# Allegro board board_orcad.brd (continued)
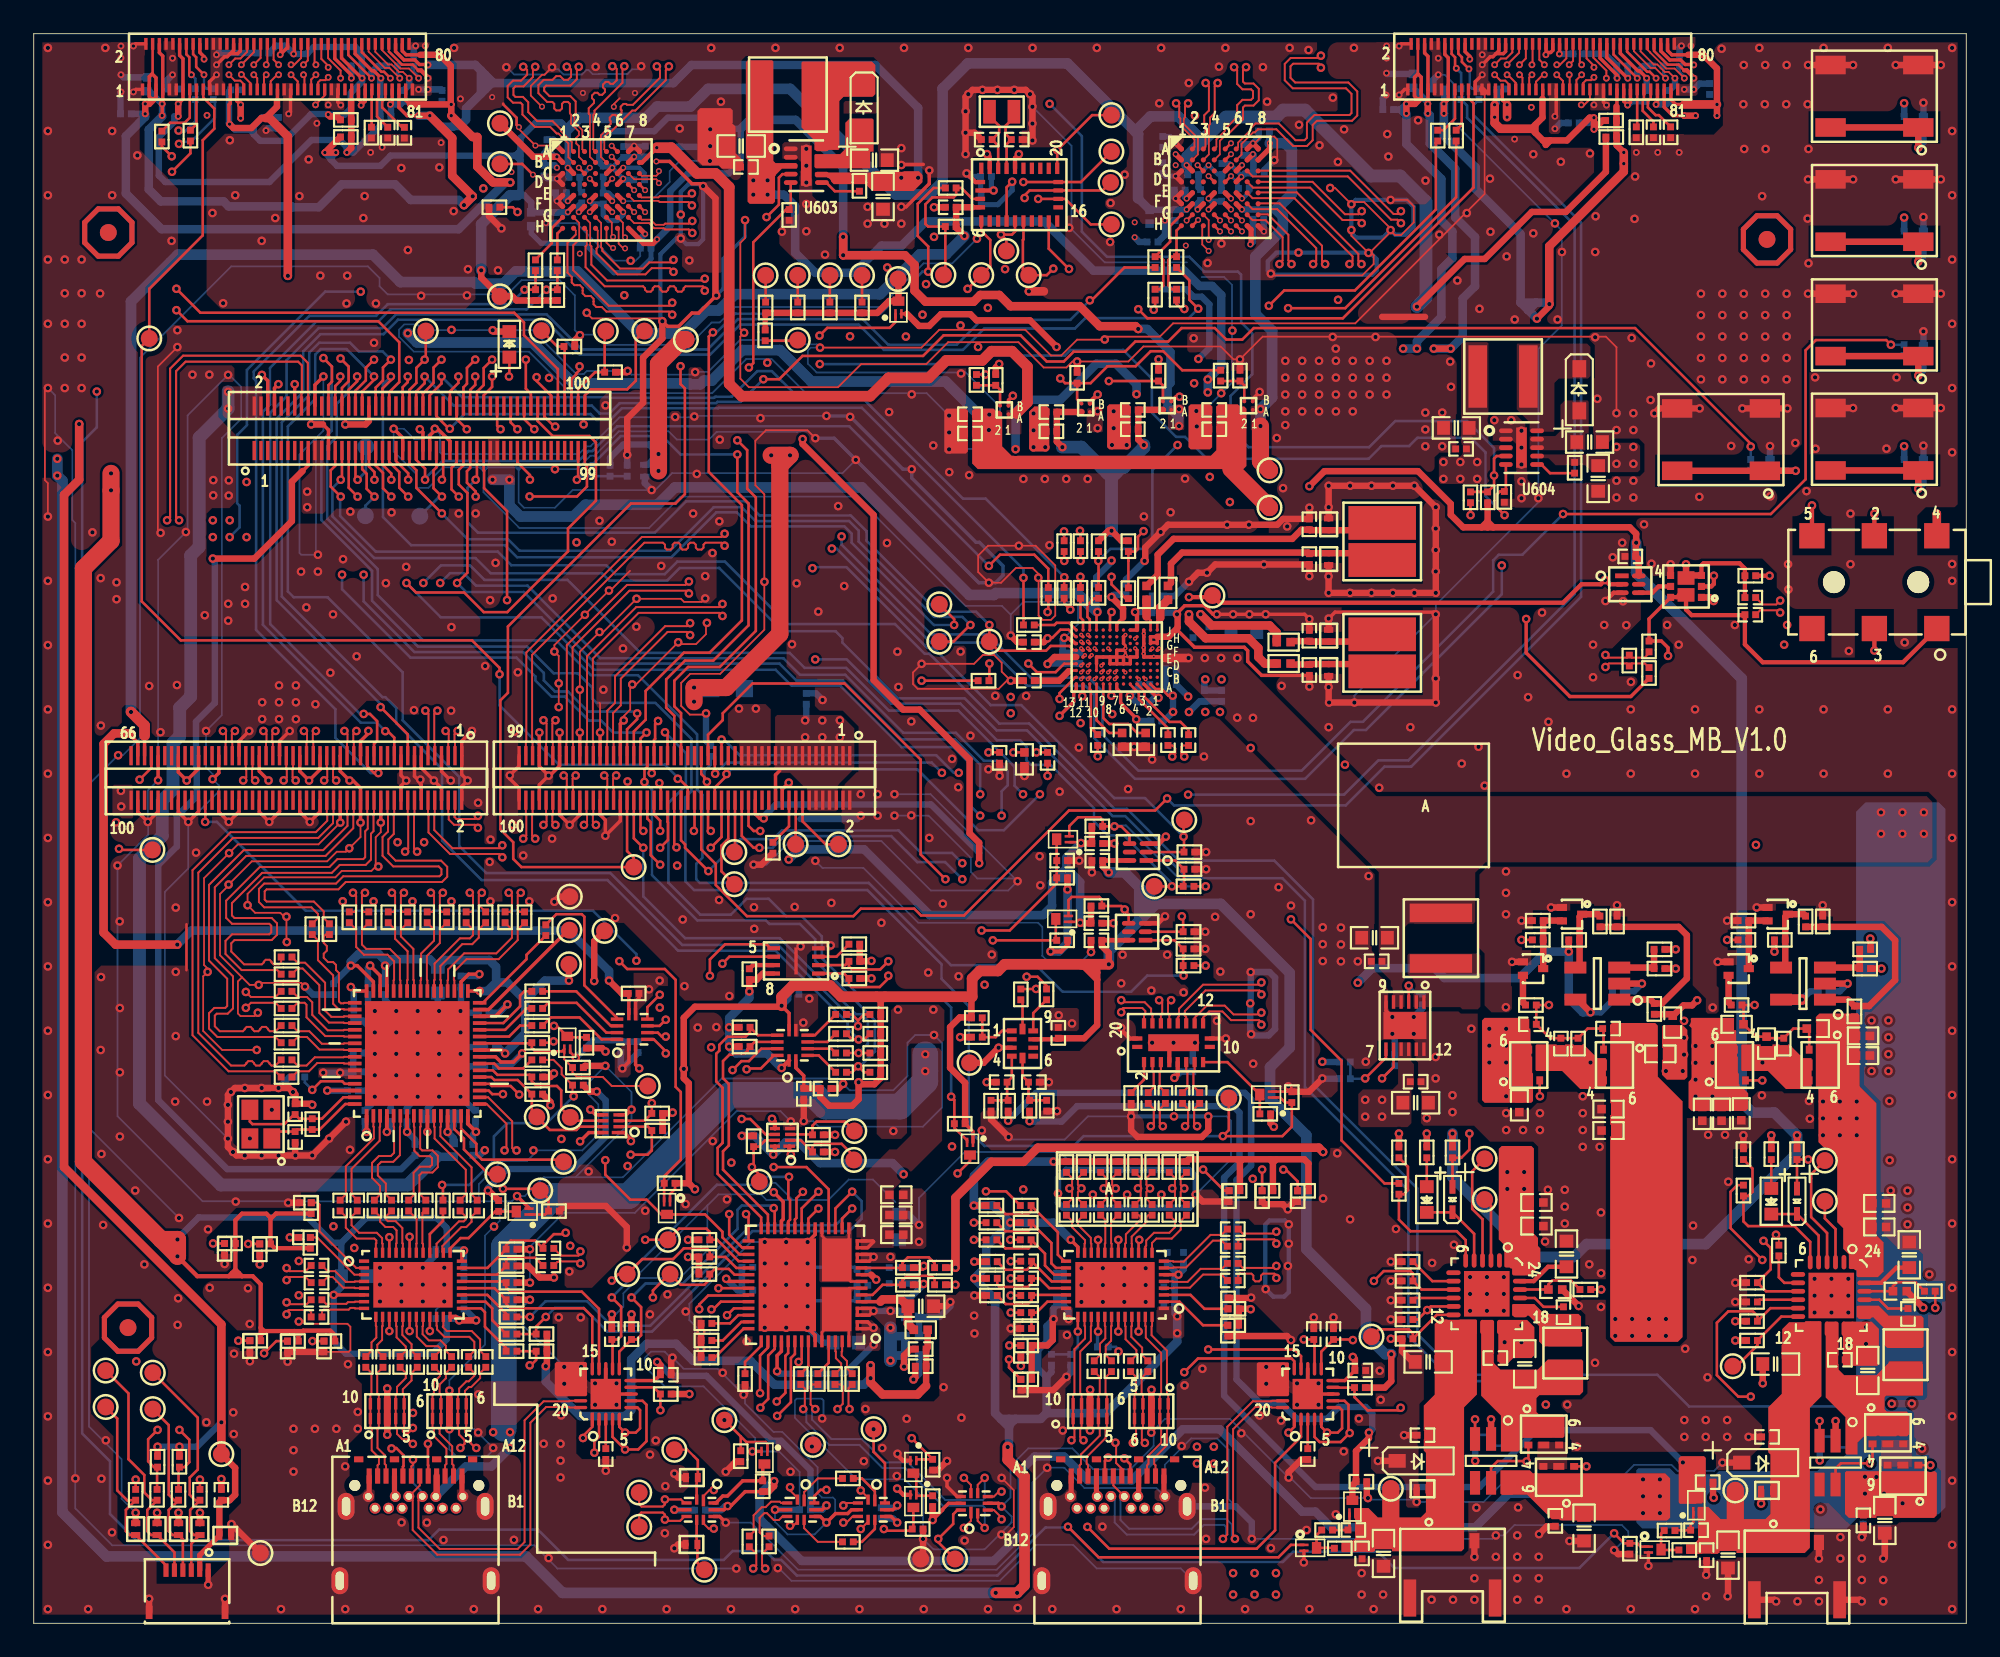
[diagram p0: board, top side]
## Routing (per net, layer and track width the routed paths; a pad name or vN(x,y) marks a point on that pad's centre or on a via; arc(x,y) is an arc through that point) (continued)
  BOTTOM w0.152: R713.2 16.07,32.06 v1(16.51,31.62)
RLV1A: length 35.3
  TOP w0.114: v5(86.6,91.8) 86.94,91.46 87.22,91.46 87.45,91.23 J602.31 ; U601.F7 72.25,83.83 73.71,83.83 76.02,81.52 76.02,80.76 v1(75.84,80.58)
  ART03 w0.102: v5(86.6,91.8) 86.43,91.64 86.43,91.36 86.21,91.14 83.86,91.14 83.79,91.07 83.77,91.07
  ART03 w0.114: 83.77,91.07 79.21,91.07 78.96,90.81 78.96,89.42 79.14,89.23 80.63,89.23 82.12,87.74 82.12,85.99 81.62,85.48 78.65,85.48 77.46,84.29 77.46,79.73 77.14,79.41 76.52,79.41 76.02,79.91 76.02,80.39 v1(75.84,80.58)
RLV1B: length 35.3
  TOP w0.114: J602.32 87.65,93.13 87.28,92.77 86.97,92.77 v5(86.6,92.4) ; v1(76.55,80.58) 76.37,80.76 76.37,81.67 73.85,84.18 72.6,84.18 U601.F8
  ART03 w0.102: v5(86.6,92.4) 86.23,92.03 86.23,91.44 86.13,91.34 83.86,91.34 83.79,91.41 83.77,91.41
  ART03 w0.114: v1(76.55,80.58) 76.37,80.39 76.37,80.05 76.66,79.75 77,79.75 77.11,79.87 77.11,84.43 78.51,85.83 81.47,85.83 81.78,86.13 81.78,87.6 80.48,88.89 79,88.89 78.61,89.27 78.61,90.95 79.07,91.41 83.77,91.41
RLV2A: length 35.2
  TOP w0.114: v1(81.04,83) 80.84,83.21 80.46,83.21 77.89,85.77 72.26,85.77 U601.C7 ; J602.33 87.85,91.32 87.37,91.8 v5(87.34,91.8)
  ART03 w0.102: v5(87.34,91.8) 87.17,91.64 87.17,91.28 86.51,90.63 85.63,90.63 85.53,90.53 85.53,90.21 85.59,90.14 85.59,90.11
  ART03 w0.114: v1(81.04,83) 81.23,83.19 83.07,83.19 83.38,83.5 83.38,84.94 83.5,85.05 83.89,85.05 84,84.94 84,83.1 84.39,82.72 85.36,82.72 85.79,83.14 85.79,86.15 85.4,86.53 83.4,86.53 83.29,86.65 83.29,87.04 83.4,87.15 85.2,87.15 85.52,87.47 85.52,88.24 85.2,88.55 84.94,88.55 84.82,88.67 84.82,89.06 84.94,89.18 85.2,89.18 85.59,89.57 85.59,90.11
RLV2B: length 35.1
  TOP w0.114: U601.C8 72.59,86.12 78.04,86.12 80.6,83.55 80.88,83.55 v1(81.04,83.72) ; v5(87.34,92.4) 88.05,93.11 J602.34
  ART03 w0.102: 85.25,90.11 85.25,90.14 85.32,90.21 85.32,90.67 85.48,90.83 86.43,90.83 86.97,91.37 86.97,92.03 87.04,92.1 v5(87.34,92.4)
  ART03 w0.114: v1(81.04,83.72) 81.23,83.53 81.54,83.53 81.73,83.72 82.16,83.72 82.35,83.53 82.92,83.53 83.04,83.65 83.04,85.08 83.35,85.39 84.03,85.39 84.35,85.08 84.35,83.24 84.53,83.06 85.22,83.06 85.45,83.29 85.45,86 85.26,86.19 83.26,86.19 82.94,86.5 82.94,87.18 83.26,87.5 85.06,87.5 85.17,87.61 85.17,88.1 85.06,88.21 84.8,88.21 84.48,88.53 84.48,89.2 84.8,89.52 85.06,89.52 85.25,89.71 85.25,90.11
RLV3A: length 36.3
  TOP w0.114: J602.35 88.25,91.63 v5(88.07,91.8) ; U601.D7 72.27,85.11 75.66,85.11 77.58,83.19 78.53,83.19 v1(78.72,83.01)
  ART03 w0.102: v5(88.07,91.8) 87.91,91.64 87.91,88.93 87.3,88.32 87.3,87.88 87.37,87.81 87.37,87.78
  ART03 w0.114: 87.37,87.78 87.37,87.15 87.05,86.83 86.87,86.83 86.75,86.72 86.75,86.36 86.91,86.21 87.05,86.21 87.37,85.89 87.37,85.21 87.05,84.9 86.87,84.9 86.75,84.79 86.75,84.39 86.87,84.28 87.05,84.28 87.37,83.96 87.37,81.96 86.95,81.53 84.03,81.53 83.91,81.42 83.91,80.12 83.6,79.81 82.92,79.81 82.6,80.12 82.6,81.42 82.49,81.53 82.1,81.53 81.98,81.42 81.98,80.12 81.67,79.81 80.99,79.81 80.67,80.12 80.67,81.42 80.56,81.53 80.16,81.53 79.6,82.09 79.6,83.01 79.49,83.12 78.83,83.12 v1(78.72,83.01)
RLV3B: length 36.2
  TOP w0.114: U601.D8 72.58,85.45 75.8,85.45 77.72,83.53 78.53,83.53 v1(78.72,83.72) ; J602.36 88.45,92.77 v5(88.07,92.4)
  ART03 w0.102: 87.03,87.78 87.03,87.81 87.1,87.88 87.1,88.4 87.7,89.01 87.7,92.03 v5(88.07,92.4)
  ART03 w0.114: 87.03,87.78 87.03,87.29 86.91,87.17 86.73,87.17 86.41,86.86 86.41,86.22 86.76,85.87 86.91,85.87 87.03,85.75 87.03,85.36 86.91,85.24 86.73,85.24 86.41,84.93 86.41,84.25 86.73,83.93 86.91,83.93 87.03,83.82 87.03,82.1 86.8,81.88 83.88,81.88 83.57,81.56 83.57,80.26 83.45,80.15 83.06,80.15 82.95,80.26 82.95,81.56 82.63,81.88 81.95,81.88 81.64,81.56 81.64,80.26 81.52,80.15 81.13,80.15 81.02,80.26 81.02,81.56 80.7,81.88 80.3,81.88 79.95,82.24 79.95,83.15 79.63,83.46 78.87,83.46 78.72,83.61 v1(78.72,83.72)
RLV4A: length 36.9
  TOP w0.114: v1(77.99,80.58) 78.18,80.76 78.18,81.04 74.73,84.48 72.25,84.48 U601.E7 ; J602.37 88.65,91.64 v5(88.81,91.8)
  ART03 w0.102: 88.46,87.55 88.46,87.58 88.39,87.65 88.39,90.32 88.64,90.57 88.64,91.64 v5(88.81,91.8)
  ART03 w0.114: v1(77.99,80.58) 78.12,80.45 78.12,79.11 78.43,78.79 84.94,78.79 85.25,79.11 85.25,80.45 85.37,80.57 85.76,80.57 85.87,80.45 85.87,78.97 86.19,78.65 86.96,78.65 88.46,80.15 88.46,87.55
RLV4B: length 37
  TOP w0.114: v5(88.81,92.4) 88.85,92.43 J602.38 ; v1(78.7,80.58) 78.52,80.76 78.52,81.18 74.87,84.83 72.6,84.83 U601.E8
  ART03 w0.102: 88.12,87.55 88.12,87.58 88.19,87.65 88.19,90.41 88.44,90.66 88.44,92.03 v5(88.81,92.4)
  ART03 w0.114: v1(78.7,80.58) 78.57,80.58 78.46,80.46 78.46,80.14 78.57,80.03 78.6,80.03 78.71,79.91 78.71,79.68 78.6,79.57 78.57,79.57 78.46,79.46 78.46,79.25 78.57,79.13 84.79,79.13 84.91,79.25 84.91,80.6 85.22,80.91 85.9,80.91 86.22,80.6 86.22,79.11 86.33,78.99 86.82,78.99 88.12,80.3 88.12,87.55
RLV5A: length 36.4
  TOP w0.114: U601.G7 72.25,83.19 73.01,83.19 74.03,82.17 74.03,80.78 73.84,80.6 v1(73.84,80.58) ; v5(89.54,91.8) 89.46,91.8 89.05,91.39 J602.39
  ART03 w0.102: 89.68,90.17 89.68,90.2 89.61,90.27 89.61,90.8 89.38,91.03 89.38,91.64 v5(89.54,91.8)
  ART03 w0.114: v1(73.84,80.58) 74.03,80.39 74.03,79.87 76.96,76.94 86.66,76.94 89.68,79.96 89.68,90.17
RLV5B: length 36.3
  TOP w0.114: v5(89.54,92.4) 89.25,92.69 J602.40 ; v1(74.56,80.58) 74.56,80.6 74.37,80.78 74.37,82.31 73.16,83.53 72.6,83.53 U601.G8
  ART03 w0.102: v5(89.54,92.4) 89.18,92.03 89.18,90.94 89.4,90.72 89.4,90.27 89.33,90.2 89.33,90.17
  ART03 w0.114: 89.33,90.17 89.33,80.1 86.51,77.28 77.1,77.28 75.78,78.61 75.78,78.77 75.78,78.77 75.78,78.93 75.62,79.1 75.45,79.1 75.45,79.09 75.29,79.09 75.13,79.25 75.13,79.42 75.13,79.42 75.13,79.58 74.97,79.74 74.81,79.74 74.81,79.74 74.64,79.74 74.37,80.01 74.37,80.39 v1(74.56,80.58)
RLV6A: length 35.2
  TOP w0.102: 68.24,89.31 68.24,89.28 68.17,89.21 68.17,88.87 69.01,88.04 69.01,87.08 U601.B2
  TOP w0.114: 68.24,89.31 68.24,89.93 v1(68.43,90.11) ; v5(92.48,91.65) 92.32,91.48 92.01,91.48 91.85,91.31 J602.53
  ART06 w0.102: 90.87,88.04 90.87,88.06 90.81,88.13 90.81,90.06 92.4,91.65 v5(92.48,91.65)
  ART06 w0.114: 90.87,88.04 90.87,87.73 89.25,86.11 78.5,86.11 75.23,89.38 70.69,89.38 70.45,89.62 70.29,89.62 70.26,89.59 70.1,89.59 69.94,89.75 69.94,89.91 69.97,89.94 69.97,90.1 69.82,90.25 69.58,90.25 69.46,90.13 69.46,90.09 69.35,89.98 69.12,89.98 69.01,90.09 69.01,90.13 68.89,90.25 68.57,90.25 v1(68.43,90.11)
RLV6B: length 35.3
  TOP w0.102: U601.A2 68.8,87.53 68.8,87.96 67.97,88.79 67.97,89.21 67.9,89.28 67.9,89.31
  TOP w0.114: v1(67.72,90.11) 67.9,89.93 67.9,89.31 ; v5(92.48,92.24) 92.48,92.34 92.05,92.77 J602.54
  ART06 w0.102: 90.53,88.04 90.53,88.06 90.6,88.13 90.6,90.14 92.11,91.65 92.11,91.87 v5(92.48,92.24)
  ART06 w0.114: v1(67.72,90.11) 68.2,90.59 69.96,90.59 70.83,89.73 75.37,89.73 78.65,86.45 89.11,86.45 90.53,87.87 90.53,88.04
RLV7A: length 34.9
  TOP w0.102: U601.B3 69.66,87.08 69.66,88.8 69.73,88.87 69.73,88.9
  TOP w0.114: 69.73,88.9 69.73,89.26 70,89.53 70,91.14 v1(70.18,91.31) ; J602.51 91.45,91.49 v5(91.75,91.8)
  ART06 w0.102: v5(91.75,91.8) 91.59,91.64 91.59,91.58 89.71,89.7 89.71,88.65
  ART06 w0.114: v1(70.18,91.31) 70.31,91.44 70.53,91.44 70.76,91.21 70.76,91.05 70.68,90.97 70.68,90.81 70.84,90.65 71,90.65 71.08,90.73 71.24,90.73 71.64,90.34 72.26,90.34 72.58,90.65 72.58,91.21 72.69,91.33 73.09,91.33 73.2,91.21 73.2,90.77 73.64,90.34 75.95,90.34 77.2,89.09 77.64,89.09 77.89,89.34 78.05,89.34 78.33,89.06 78.33,88.9 78.17,88.73 78.17,88.04 78.77,87.44 80.48,87.44 80.75,87.17 88.24,87.17 89.07,88.01 89.34,88.01 89.53,88.2 89.53,88.46 89.71,88.65
RLV7B: length 34.9
  TOP w0.102: U601.A3 69.45,87.53 69.45,88.8 69.38,88.87 69.38,88.9
  TOP w0.114: v5(91.75,92.4) 91.65,92.5 J602.52 ; 69.38,88.9 69.38,89.4 69.66,89.68 69.66,91.12 v1(69.47,91.31)
  ART06 w0.102: 89.47,88.89 89.51,88.93 89.51,89.79 91.39,91.66 91.39,92.03 v5(91.75,92.4)
  ART06 w0.114: v1(69.47,91.31) 69.94,91.78 70.68,91.78 71.78,90.68 72.12,90.68 72.24,90.79 72.24,91.35 72.55,91.67 73.23,91.67 73.54,91.35 73.54,90.91 73.78,90.68 76.09,90.68 77.34,89.43 77.5,89.43 77.75,89.68 78.19,89.68 78.67,89.2 78.67,88.76 78.51,88.59 78.51,88.19 78.91,87.79 80.62,87.79 80.89,87.52 88.1,87.52 89.47,88.89
RLV8A: length 35.5
  TOP w0.102: 70.85,88.33 70.83,88.31 70.73,88.31 70.31,87.88 70.31,87.08 U601.B4
  TOP w0.114: v1(71.86,92.25) 71.68,92.07 71.68,91.4 71.79,91.28 72.3,91.28 72.62,90.97 72.62,90.29 72.3,89.97 71.79,89.97 71.68,89.86 71.68,89.16 70.85,88.33 ; v5(91.02,91.8) 91.05,91.77 J602.49
  ART06 w0.102: v5(91.02,91.8) 90.85,91.64 90.85,91.56 89.84,90.55 88.72,90.55 88.46,90.29 88.46,90.19 88.44,90.17
  ART06 w0.114: 88.44,90.17 88.14,89.87 88.14,89 87.27,88.14 85.93,88.14 85.38,88.68 85.38,89.73 85.27,89.84 84.79,89.84 84.67,89.73 84.67,88.73 84.23,88.3 81.09,88.3 78.06,91.33 75.17,91.33 74.59,91.91 74.43,91.91 74.39,91.87 74.23,91.87 74.06,92.03 74.06,92.19 74.11,92.23 74.11,92.39 73.58,92.91 71.79,92.91 71.68,92.8 71.68,92.44 v1(71.86,92.25)
RLV8B: length 35.6
  TOP w0.102: 70.61,88.57 70.61,88.47 70.1,87.97 70.1,87.53 U601.A4
  TOP w0.114: 70.61,88.57 71.34,89.3 71.34,90 71.65,90.32 72.16,90.32 72.28,90.43 72.28,90.83 72.16,90.94 71.65,90.94 71.34,91.25 71.34,92.07 v1(71.15,92.25) ; J602.50 91.25,92.62 v5(91.02,92.4)
  ART06 w0.102: v5(91.02,92.4) 90.65,92.03 90.65,91.65 89.76,90.75 88.64,90.75 88.31,90.43 88.22,90.43 88.2,90.41
  ART06 w0.114: v1(71.15,92.25) 71.34,92.44 71.34,92.94 71.65,93.26 73.73,93.26 75.31,91.67 78.2,91.67 81.23,88.64 84.09,88.64 84.33,88.87 84.33,89.87 84.64,90.18 85.41,90.18 85.72,89.87 85.72,88.82 86.07,88.48 87.13,88.48 87.8,89.14 87.8,90.01 88.2,90.41
RLV9A: length 35
  TOP w0.102: U601.B6 71.6,87.07 71.6,87.7 72.28,88.38 72.38,88.38 72.4,88.4
  TOP w0.114: v1(76.3,92.22) 76.3,92.34 76.18,92.46 74.65,92.46 74.5,92.3 74.5,91.62 74.77,91.34 77.93,91.34 78.46,90.81 78.46,89.39 78.14,89.07 76.06,89.07 75.81,88.82 75.81,87.92 75.47,87.58 74.65,87.58 73.66,88.57 72.57,88.57 72.4,88.4 ; J602.47 90.65,91.44 v5(90.28,91.8)
  ART06 w0.102: 89,91.01 89.03,91.01 89.1,91.08 89.63,91.08 90.12,91.57 90.12,91.64 v5(90.28,91.8)
  ART06 w0.114: v1(76.3,92.22) 76.3,92.32 76.41,92.43 77.55,92.43 77.69,92.29 78,92.29 78.14,92.43 78.49,92.43 78.69,92.22 78.69,92.06 78.63,91.99 78.63,91.83 78.79,91.67 78.95,91.67 79.02,91.74 79.18,91.74 79.9,91.01 89,91.01
RLV9B: length 35
  TOP w0.102: U601.A6 71.39,87.52 71.39,87.78 72.14,88.53 72.14,88.63 72.16,88.64
  TOP w0.114: J602.48 90.85,92.77 90.47,92.4 v5(90.28,92.4) ; 72.16,88.64 72.42,88.91 73.8,88.91 74.79,87.92 75.33,87.92 75.47,88.06 75.47,88.97 75.92,89.42 78,89.42 78.11,89.53 78.11,90.67 77.78,91 74.63,91 74.16,91.48 74.16,92.45 74.51,92.8 76.16,92.8 v1(76.3,92.93)
  ART06 w0.102: 89,91.36 89.03,91.36 89.1,91.29 89.55,91.29 89.91,91.65 89.91,92.03 v5(90.28,92.4)
  ART06 w0.114: 89,91.36 80.04,91.36 78.63,92.77 76.46,92.77 v1(76.3,92.93)
RLV10A: length 35.5
  TOP w0.114: J602.55 92.25,90.36 91.91,90.02 v5(91.73,90.02)
  TOP w0.152: U601.B5 v2(70.97,87.09)
  ART06 w0.102: 91.43,87.07 91.43,87.1 91.36,87.17 91.36,87.53 91.59,87.76 91.59,88 91.36,88.23 91.36,88.43 91.6,88.67 91.6,88.89 91.36,89.13 91.36,89.85 91.53,90.02 v5(91.73,90.02)
  ART06 w0.114: 91.43,87.07 91.43,86.84 91.55,86.72 91.64,86.72 91.76,86.61 91.76,86.38 91.64,86.26 91.55,86.26 91.43,86.15 91.43,85.53 90.97,85.06 90.68,85.06 90.57,84.95 90.57,84.79 90.45,84.67 90.22,84.67 90.11,84.79 90.11,84.95 89.99,85.06 89.77,85.06 89.65,84.95 89.65,84.79 89.54,84.67 89.31,84.67 89.19,84.79 89.19,84.95 89.08,85.06 88.85,85.06 88.74,84.95 88.74,84.79 88.62,84.67 88.39,84.67 88.28,84.79 88.28,84.95 88.17,85.06 87.94,85.06 87.82,84.95 87.82,84.79 87.71,84.67 87.48,84.67 87.37,84.79 87.37,84.95 87.25,85.06 86.88,85.06 86.59,84.77 86.59,84.32 86.27,84 85.59,84 85.28,84.32 85.28,84.95 85.17,85.06 84.77,85.06 84.66,84.95 84.66,84.11 84.02,83.47 82.71,83.47 81.11,85.06 77.59,85.06 74.23,88.42 72.31,88.42 71.84,87.95 71.84,87.66 71.53,87.34 71.08,87.34 70.97,87.23 v2(70.97,87.09)
RLV10B: length 35.5
  TOP w0.114: J602.56 92.45,92.82 93.22,92.05 v5(93.22,91.6)
  TOP w0.152: U601.A5 v2(70.97,87.74)
  ART06 w0.102: v5(93.22,91.6) 92,90.37 91.56,90.37 91.16,89.97 91.16,87.17 91.09,87.1 91.09,87.07
  ART06 w0.114: 91.09,87.07 91.09,85.67 90.83,85.41 86.74,85.41 86.25,84.91 86.25,84.46 86.13,84.34 85.74,84.34 85.62,84.46 85.62,85.09 85.31,85.41 84.63,85.41 84.31,85.09 84.31,84.25 83.87,83.81 82.85,83.81 81.26,85.41 77.73,85.41 74.38,88.76 72.17,88.76 71.5,88.09 71.5,87.8 71.39,87.68 71.03,87.68 v2(70.97,87.74)
RR_VBAT: length 47.9
  TOP w0.381: R927.1 v1(57.76,29.79) ; v1(79.15,11.3) 79.15,10.97 78.38,10.21 C928.1 78.17,8.18 Q809.3
  BOTTOM w0.381: v1(57.76,29.79) 59.41,31.45 71.78,31.45 72.16,31.06 72.16,27.14 71.3,26.27 71.3,14.45 72.67,13.08 73.91,13.08 74.87,12.12 76.65,12.12 77.36,12.82 78.95,12.82 79.34,12.43 79.34,11.5 v1(79.15,11.3)
RSTIN: length 44.6
  TOP w0.152: v1(56.18,41.07) 57.85,41.07 60.64,43.86 R716.1 C728.1 60.64,45.22 Q701.3 ; v1(28.78,31.34) 28.27,31.85 27.15,31.85 27.02,31.98 U705.20
  ART03 w0.122: v1(56.18,41.07) 56.18,41.02 52.44,37.28 52.44,36.74 51.58,35.87 49.74,35.87 49.43,36.18 48.44,36.18 47.86,35.6 47.86,33.37 46.51,32.01 40.09,32.01 39.88,31.8 34.47,31.8 33.95,32.32 32.02,32.32 31.55,31.84 29.28,31.84 v1(28.78,31.34)
RX_HPD: length 3.4
  TOP w0.152: U705.23 27.3,33.18 27.58,32.89 29.02,32.89 R729.1
SENSOR_BOOT: length 50.1
  TOP w0.152: v1(40.26,76.53) 40.01,76.29 40.01,68.26 41.98,66.29 41.98,59.46 40.06,57.54 38.54,57.54 36.27,55.27 36.27,53.57 35.57,52.87 J301.65 ; R1109.2 53.34,85.09 52.4,84.15 52.4,82.25 53.02,81.62 v1(53.02,80.13)
  BOTTOM w0.152: v1(40.26,76.53) 40.48,76.53 41.59,77.64 50.19,77.64 52.67,80.13 v1(53.02,80.13)
SLEEP_33: length 43.6
  TOP w0.152: Q702.3 60.59,40.54 R711.2 v1(56.85,40.49) ; U705.19 26.96,31.58 27.18,31.37 v1(27.81,31.37)
  ART03 w0.122: v1(56.85,40.49) 56.15,40.49 52.72,37.06 52.72,36.51 51.78,35.57 49.55,35.57 49.25,35.86 48.57,35.86 48.18,35.47 48.18,33.16 46.7,31.67 40.16,31.67 39.85,31.37 36.38,31.37 35.98,30.97 35.98,30.04 35.68,29.73 28.77,29.73 27.81,30.69 v1(27.81,31.37)
SLIMBUS_CLK: length 43.8
  TOP w0.152: v1(24.66,70.82) 24.61,70.82 23.87,71.56 J302.56 ; R1013.2 v1(58.67,61.98)
  BOTTOM w0.152: v1(58.67,61.98) 58.67,62.48 49.08,72.06 40.6,72.06 40.57,72.03 34.86,72.03 34.18,71.34 33.35,71.34 33,71.69 25.54,71.69 v1(24.66,70.82)
SLIMBUS_DATA0: length 45.8
  TOP w0.152: R1014.2 61.08,62 v1(61.09,62.01) ; v1(24.17,73.91) 24.17,73.5 23.47,72.8 J302.54
  BOTTOM w0.152: v1(24.17,73.91) 25.4,72.68 34.09,72.68 34.13,72.65 40.33,72.65 40.4,72.72 41.37,72.72 42.89,74.23 43.75,74.23 45.39,72.59 49.16,72.59 55.09,66.67 56.43,66.67 v1(61.09,62.01)
SS_CLK_SEL: length 47.8
  TOP w0.152: U1101.10 58.17,82.51 57.99,82.33 v1(57.33,82.33) 57.65,82.01 TP1114.1 ; v1(22.17,73.91) 22.17,73.58 21.87,73.28 J302.46
  ART06 w0.122: v1(22.17,73.91) 22.68,74.42 23.55,74.42 23.67,74.55 23.67,77.98 24.15,78.45 24.15,79.55 25.57,80.98 31.96,80.98 32.99,79.94 35.95,79.94 37.49,81.48 44.75,81.48 46.15,80.09 49.15,80.09 50.23,81.16 56.17,81.16 v1(57.33,82.33)
SSC_NRST: length 43.8
  TOP w0.152: J302.70 26.67,72.8 27.17,73.3 v1(27.17,73.91) ; v1(60.44,80.31) 60.05,79.92 TP1115.1 58.63,80.27 58.63,82.01 58.67,82.04 U1101.11
  ART06 w0.122: v1(60.44,80.31) 60.44,79.61 58.33,77.51 53.33,77.51 52.93,77.1 52.09,77.1 51.47,77.72 46.55,77.72 44.44,75.61 34.59,75.61 33.97,74.98 30.97,74.98 30.42,74.44 27.69,74.44 v1(27.17,73.91)
SSC_SPI_1_CLK: length 53.4
  TOP w0.152: v1(58.66,85.44) U1101.19 62.07,85.44 TP1109.1 ; J302.62 25.07,71.39 v1(25.67,70.79)
  ART06 w0.122: v1(58.66,85.44) 58.25,85.03 58.25,82.5 56.62,80.86 50.37,80.86 49.28,79.77 45.82,79.77 44.6,80.99 39.95,80.99 38.52,79.56 32.76,79.56 31.06,77.87 26.89,77.87 24.64,75.62 24.64,72.92 25.67,71.89 v1(25.67,70.79)
SSC_SPI_1_CS_N: length 47.6
  TOP w0.152: J302.64 25.47,73.27 25.68,73.48 25.68,74.42 v1(26.17,74.91) ; v1(58.73,84.5) 58.73,84.65 59.03,84.94 U1101.18 63.36,84.94 TP1113.1
  ART06 w0.122: v1(26.17,74.91) 26.17,75.15 26.95,75.93 29.59,75.93 29.71,75.81 33.28,75.81 33.98,76.5 38.59,76.5 39.61,77.52 44.83,77.52 45.93,78.62 55.54,78.62 56.25,79.33 57.41,79.33 58.73,80.65 v1(58.73,84.5)
SSC_SPI_1_MISO: length 50.5
  TOP w0.152: U1101.20 v1(60.67,87.34) 62.74,89.41 TP1108.1 ; v1(27.17,74.91) 26.67,74.41 26.67,73.41 26.27,73.01 J302.68
  ART06 w0.122: v1(27.17,74.91) 27.64,75.38 29.36,75.38 29.49,75.26 33.74,75.26 34.39,75.91 44.23,75.91 46.38,78.05 55.78,78.05 56.38,78.65 57.88,78.65 60.04,80.81 60.04,86.71 v1(60.67,87.34)
SSC_SPI_1_MOSI: length 47.3
  TOP w0.152: v1(26.17,73.91) 26.17,73.41 25.87,73.11 J302.66 ; TP1107.1 62.66,82.93 61.15,84.44 U1101.17 v1(59.54,84.44)
  ART06 w0.122: v1(59.54,84.44) 59.6,84.39 59.6,80.91 57.65,78.96 56.28,78.96 55.66,78.34 46.26,78.34 45.11,77.19 39.71,77.19 38.74,76.23 34.21,76.23 33.52,75.53 29.6,75.53 29.48,75.66 27.07,75.66 26.7,75.29 26.7,74.44 v1(26.17,73.91)
SSC_WAKE_PS0: length 41.1
  TOP w0.152: v1(25.17,73.91) 25.17,73.53 24.67,73.03 J302.60 ; U1101.6 56.17,82.54 56.7,82.01 56.7,80.46 TP1112.1 v1(55.36,79.11)
  ART06 w0.122: v1(25.17,73.91) 25.68,74.42 25.68,76 27.26,77.58 31.25,77.58 32.91,79.24 38.34,79.24 39.67,77.9 44.55,77.9 45.54,78.89 55.14,78.89 v1(55.36,79.11)
SSEQ0/A0: length 12.7
  TOP w0.152: R535.2 74.92,26.2 74.22,26.89 v1(74.07,26.89) ; v1(65.53,22.73) 65.49,22.69 U501.11
  ART03 w0.122: v1(74.07,26.89) 69.91,22.73 v1(65.53,22.73)
SSEQ1: length 4.1
  TOP w0.152: R537.2 69.39,18.64 68.57,19.47 U501.3
SWD_CLK: length 2.4
  TOP w0.152: R801.2 41.27,17.78 41.76,18.27 U801.40
SWD_DAT: length 2.6
  TOP w0.152: R802.2 40.84,16.76 41.95,17.87 U801.41
SYS_5V: length 87.6
  TOP w0.203: U801.2 49.43,17.87 v1(49.78,17.52) ; U801.12 49.63,21.87 v1(49.78,21.72) 49.53,21.47 U801.11 ; U801.1 49.73,17.47 ; v1(44.06,14.94) 44.06,15.87 44.32,16.13 U801.46 ; U801.25 44.32,23.85 44.42,23.95 44.42,24.99 v1(43.87,25.55)
  TOP w0.381: 49.73,17.47 v1(49.78,17.52)
  ART03 w0.508: v1(78.92,31.03) 76.66,33.29 v1(76.38,33.29)
  GND04 w0.762: v1(50.78,21.72) 50.78,20.62 52.02,19.38 52.02,17.32 51.26,16.56 49.83,16.56 v1(49.78,16.52)
  ART05 w0.381: v1(43.87,25.55) 44.22,25.55 46.11,23.66 48.04,23.66 49.78,21.92 v1(49.78,21.72)
  ART05 w0.762: v1(49.78,17.52) v1(49.78,16.52) 51.19,16.52 52.02,17.35 52.02,17.83 ; 79.45,30.03 v1(79.92,30.03) v1(79.92,31.03) v1(78.92,31.03) v1(78.92,30.03) 79.45,30.03
  ART05 w1.524: v1(49.78,21.72) v1(50.78,21.72) 51.21,21.29 51.21,19.96 52.02,19.15 52.02,17.83 57.2,12.65 68.53,12.65 79.45,23.57 79.45,30.03
  BOTTOM w0.381: v1(44.06,14.94) 44.21,14.8 48.07,14.8 v1(49.78,16.52) ; R859.1 76.4,33.27 v1(76.38,33.29)
SYS_VBAT: length 143.4
  TOP w0.203: U1001.J3 v3(65.8,58.67) U1001.H3 U1001.G3 65.8,57.85 v3(65.79,57.84) 65.8,57.82 U1001.F3 65.8,57.49 v3(65.79,57.48) 65.8,57.47 U1001.E3 U1001.E2 66.38,57.28 v3(66.4,57.3) 66.41,57.28 U1001.E1 67.01,57.28 67.07,57.23 ; 44.22,50.55 43.97,50.29 J301.24 ; U403.9 40.91,6.73 v1(41.13,6.95) 41.17,6.99 41.35,6.99 42.17,7.8 R437.1
  TOP w0.381: R437.1 43.56,7.8 43.89,8.13 v1(43.89,8.42)
  TOP w0.508: v1(68.45,57.23) 67.07,57.23
  GND02 w0.381: v1(71.35,57.23) v1(70.38,57.23) v1(69.42,57.23) v1(68.45,57.23) 68.38,57.3 v3(66.4,57.3) 65.96,57.3 v3(65.79,57.48) v3(65.79,57.84) 65.79,58.14 v4(65.68,58.24) 65.8,58.36 v3(65.8,58.67) ; v4(66.65,58.95) 66.37,58.67 v3(65.8,58.67) ; v3(65.8,58.67) 65.8,59.04 v4(65.67,59.16)
  GND04 w0.635: 66.07,58.95 v4(66.65,58.95) 68.38,57.23 v1(68.45,57.23) v1(69.42,57.23) v1(70.38,57.23) v1(71.35,57.23) ; 66.07,58.95 65.68,58.57 v4(65.68,58.24) ; 66.07,58.95 65.88,58.95 v4(65.67,59.16)
  ART05 w0.508: v1(69.6,73.74) v1(69.6,72.97) 69.6,72.22 70.42,71.39 70.42,68.73
  BOTTOM w0.381: v1(45.73,53.53) 45.8,53.6 C524.1 ; C437.1 40.74,6.71 40.99,6.95 v1(41.13,6.95) ; v1(43.5,85.54) v1(42.65,85.54) v1(42.65,84.69) v1(43.5,84.69)
  BOTTOM w0.508: v1(95.39,6.53) 95.22,6.71 ; v1(43.89,8.42) 43.87,8.41 43.8,8.41 43.02,7.63 43.02,6.19 45.52,3.7 56.92,3.7 58.58,5.36 58.58,9.13 59.33,9.89 61.07,9.89 62.48,8.47 65.08,8.47 68.11,11.5 70.3,11.5 75.18,6.62 75.97,6.62 76.9,5.69 85.45,5.69 87.44,7.68 95.24,7.68 v1(95.39,7.53) ; v1(43.5,85.54) v1(43.5,84.69) 44.45,84.69 45.14,84.01 45.14,81.25 46.33,80.06 48.64,80.06 50.25,81.67 51.45,81.67 52.88,83.11 59.9,83.11 62.82,80.19 68.19,80.19 69.1,79.28 69.85,79.28 70.39,78.74 70.39,74.53 v1(69.6,73.74) v1(69.6,72.97)
  vias: v1(45.73,52.53) v1(46.74,53.53) v1(46.74,52.53) v1(47.78,53.53) v1(47.78,52.53) v1(71.34,53.69) v1(72.27,53.68) v1(83.56,68.84) v1(83.56,67.84) v1(84.56,68.84) v1(84.56,67.84) v1(85.56,68.84) v1(85.56,67.84) v1(95.39,8.53) v1(96.39,8.53) v1(96.39,7.53) v1(96.39,6.53) v1(108.55,8.69) v1(108.55,7.69) v1(109.23,8.67) v1(109.5,48.07) v1(109.5,46.8) v1(109.68,7.69) v1(110.77,48.07) v1(110.77,46.8) v1(110.78,7.11) v1(111.91,7.11) v1(112.04,48.07) v1(112.04,46.8)
TP_EINT: length 85.9
  TOP w0.152: R1105.2 v1(9.85,8.52) ; v1(26.2,66.79) 26.2,67.1 25.68,67.61 25.68,68.3 25.87,68.49 J302.65
  ART03 w0.122: v1(9.85,8.52) 9.85,11 3.39,17.45 3.39,62.29 9.37,68.27 24.72,68.27 v1(26.2,66.79)
TP_RST: length 90.5
  TOP w0.152: R1108.2 v1(6.04,8.52) ; J302.90 30.67,72.78 29.81,73.64 v1(29.81,73.87)
  ART03 w0.122: v1(6.04,8.52) 6.04,13.54 2.56,17.02 2.56,62.74 8.96,69.15 23.66,69.15 25.15,70.64 25.15,70.93 26.14,71.92 28.18,71.92 29.81,73.55 v1(29.81,73.87)
TP_SCL: length 86.9
  TOP w0.152: v1(8.64,11.46) 9.22,10.88 9.22,9.55 8.93,9.26 R1113.2 8.58,9.2 R1106.2 ; v1(27.67,70.79) 27.47,70.99 J302.74
  ART03 w0.122: v1(27.67,70.79) 25.42,68.54 9.21,68.54 3.12,62.44 3.12,17.28 8.64,11.76 v1(8.64,11.46)
TP_SDA: length 88.3
  TOP w0.152: R1107.2 7.31,9.23 R1112.2 7.13,9.26 6.78,9.6 6.78,10.91 v1(7.34,11.46) ; J302.78 28.27,71.19 v1(28.67,70.79)
  ART03 w0.122: v1(7.34,11.46) 7.34,12.63 2.84,17.13 2.84,62.61 9.05,68.82 24.68,68.82 27.12,71.26 28.2,71.26 v1(28.67,70.79)
TUSB1064_EN: length 77.1
  TOP w0.152: v1(19.2,66.79) 18.67,67.32 J302.29 ; v1(27.81,25.76) 29.92,25.76 TP6.1 30.52,25.16 R435.1 30.32,24.23 Q404.1
  ART03 w0.122: v1(19.2,66.79) 18.94,66.79 17.3,65.15 14.83,65.15 13.67,66.32 10.59,66.32 10.13,65.86 10.13,64.08 10.54,63.68 10.81,63.68 11.28,63.21 11.28,61.26 10.72,60.71 10.72,52.1 9.65,51.03 9.65,46.59 10.67,45.57 10.67,40.39 10.95,40.11 10.95,27.2 12.7,25.45 24.37,25.45 25.38,26.46 27.11,26.46 v1(27.81,25.76)
USB1_HS_N: length 110.6
  TOP w0.127: U403.5 38.57,6.33 38.31,6.07 37.49,6.07 v1(37.41,6.15) 37.41,6.44 37.29,6.57 36.02,6.57 35.89,6.44 TP407.1 ; v1(7.9,65.39) 8.08,65.57 8.08,74.38 8.85,75.15 15.82,75.15 16.25,74.72 16.25,73.01 16.27,72.99 J302.18
  ART03 w0.127: v1(37.41,6.15) 37.27,6.29 31.75,6.29 29.37,3.91 18.6,3.91 12.42,10.09 12.42,14.18 9.35,17.25 9.35,44.53 8,45.87 8,53.83 7.52,54.31 7.52,62.5 8.08,63.07 8.08,65.21 v1(7.9,65.39)
USB1_HS_P: length 110.5
  TOP w0.127: J302.16 15.87,72.99 15.89,73.01 15.89,74.57 15.67,74.79 9,74.79 8.44,74.23 8.44,65.57 v1(8.62,65.39) ; U403.3 38.57,7.13 38.36,7.34 v1(37.41,7.34) 37.41,7.05 37.29,6.92 36.03,6.92 35.89,7.06 TP408.1
  ART03 w0.127: v1(37.41,7.34) 37.41,6.77 37.29,6.64 36.92,6.64 36.79,6.77 36.79,6.79 36.66,6.91 36.41,6.91 36.28,6.79 36.28,6.77 36.15,6.64 35.9,6.64 35.77,6.77 35.77,6.79 35.65,6.91 35.39,6.91 35.27,6.79 35.27,6.77 35.14,6.64 34.88,6.64 34.76,6.77 34.76,6.79 34.63,6.91 34.38,6.91 34.25,6.79 34.25,6.77 34.12,6.64 33.87,6.64 33.74,6.77 33.74,6.79 33.61,6.91 33.36,6.91 33.23,6.79 33.23,6.77 33.11,6.64 32.85,6.64 32.73,6.77 32.73,6.79 32.6,6.91 32.34,6.91 32.22,6.79 32.22,6.77 32.09,6.64 31.6,6.64 29.22,4.26 18.75,4.26 12.78,10.24 12.78,14.33 9.7,17.4 9.7,44.67 8.36,46.02 8.36,53.98 7.87,54.46 7.87,62.36 8.44,62.92 8.44,65.21 v1(8.62,65.39)
USB1_R_L_SEL: length 128.1
  TOP w0.152: v1(46.99,7.91) 46.63,7.91 46.27,7.54 U404.10 ; v1(29.39,66.8) 32.21,66.8 32.79,67.39 32.79,68.58 32.67,68.7 J302.99
  ART03 w0.122: v1(11.62,65.39) 13.66,65.39 14.54,64.51 26.57,64.51 28.86,66.8 v1(29.39,66.8)
  ART06 w0.122: v1(11.62,65.39) 11.13,64.9 11.13,62.94 2.58,54.4 2.58,21.3 10.08,13.8 18.36,13.8 19.78,15.21 26.29,15.21 27.75,16.67 38,16.67 41.86,12.81 41.86,11.93 43.07,10.71 45.89,10.71 v1(46.13,10.47)
  ART06 w0.152: v1(46.99,7.91) 46.99,9.99 46.51,10.47 v1(46.13,10.47)
USB1_SEL: length 129.4
  TOP w0.152: J302.96 31.87,73.75 32.16,74.04 32.16,74.09 32.35,74.29 v1(32.35,74.51) ; R434.1 41.91,11.07 ; 41.91,11.07 v1(40.94,12.04) ; 41.91,11.07 42.24,10.74 43.38,10.74 43.49,10.64 Q405.1
  ART03 w0.122: v1(10.62,64.39) 11.54,63.46 16.09,63.46 16.51,63.88 26.82,63.88 27.58,64.64 28.36,64.64 31.72,68 31.72,73.88 v1(32.35,74.51)
  ART06 w0.122: v1(40.94,12.04) 40.94,13.34 37.97,16.31 27.84,16.31 26.44,14.9 19.93,14.9 18.49,13.47 9.9,13.47 2.28,21.09 2.28,54.71 10.13,62.56 10.13,63.91 v1(10.62,64.39)
USB1_SS_RX_N: length 78.2
  TOP w0.114: v1(11.21,52.9) 11.4,52.72 11.4,52.27 11.37,52.24 J501.71
  TOP w0.127: v1(66.93,29.47) 66.75,29.65 66.75,30.49 C526.1
  ART06 w0.127: v1(66.93,29.47) 66.78,29.62 66.78,30.35 63.6,33.52 63.6,35.3 57.64,41.26 57.64,45.03 56.46,46.2 54.14,46.2 53.93,45.99 52.67,45.99 52.47,46.2 46.71,46.2 43.22,49.7 43.22,51.3 41.08,53.44 38.69,53.44 36.96,55.16 35.06,55.16 34.65,54.75 32.13,54.75 31.66,55.22 26.82,55.22 25.4,56.64 18.69,56.64 18.13,57.2 13.82,57.2 11.39,54.78 11.39,53.08 v1(11.21,52.9)
